# Altium PCB FluidGuard(RX).PcbDoc (part 1 of 3) (continued)
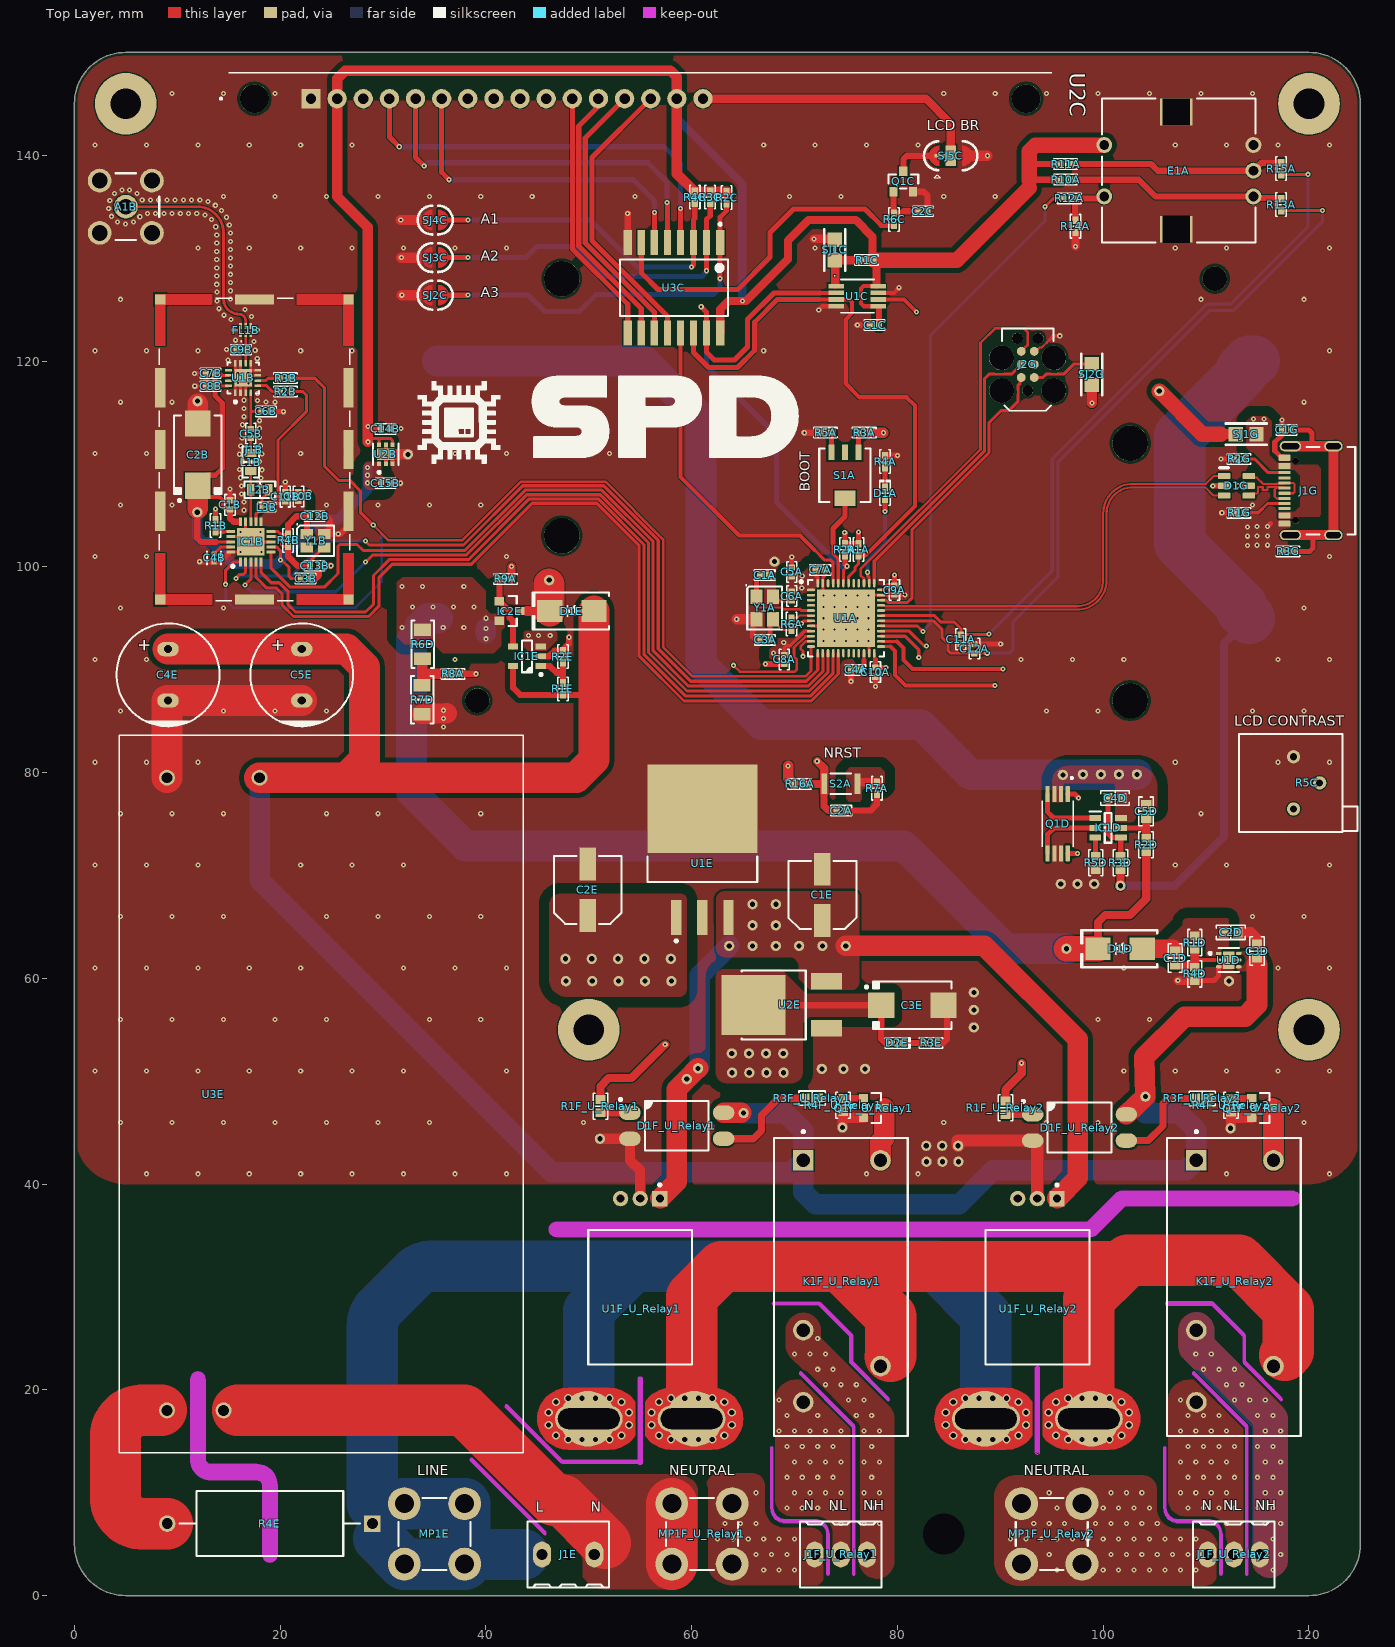
[diagram p0: Top Layer view]
## Design rules (kind name [scope] priority, off if disabled: settings) (continued)
Width Width_4mil [All] p2: maxlimit=25.4 minlimit=0.102 preferedwidth=0.102 minimp=50.000000 maximp=50.000000 favimp=50.000000
Width Width_6mil [All] p3: maxlimit=25.4 minlimit=0.152 preferedwidth=0.152 minimp=50.000000 maximp=50.000000 favimp=50.000000
Width Width_10mil [All] p4: maxlimit=25.4 minlimit=0.254 preferedwidth=0.254 minimp=50.000000 maximp=50.000000 favimp=50.000000
Width Power_12mil [All] p5: maxlimit=25.4 minlimit=0.305 preferedwidth=0.305 minimp=50.000000 maximp=50.000000 favimp=50.000000
Width Power_20mil [All] p6: maxlimit=25.4 minlimit=0.508 preferedwidth=0.508 minimp=50.000000 maximp=50.000000 favimp=50.000000
18 further rules are at their usual default settings.

## Classes and differential pairs
net class AC: HOT LINE NetD1F_U_Relay1_1 NetD1F_U_Relay1_3 NetD1F_U_Relay2_1 NetD1F_U_Relay2_3 NetJ1F_U_Relay1_1 NetJ1F_U_Relay2_1 NEUTRAL NH_U_Relay1 NH_U_Relay2 NL_U_Relay1 NL_U_Relay2
net class IMP-G: LC NRF_ANT RF RF_ANT RF_ANT-OUT TVS_D_N TVS_D_P USB_D_N USB_D_P
net class PWR: +3V3 +5V +12V BAT BAT_MR BCOM VIN VOUT
pad class Jumper: SJ1C-1 SJ1C-2 SJ1C-J SJ5C-1 SJ5C-2 SJ5C-3 SJ5C-J
channel class Relay: U_Relay1 U_Relay2
component class U_Relay2: D1F_U_Relay2 J1F_U_Relay2 K1F_U_Relay2 MP1F_U_Relay2 Q1F_U_Relay2 R1F_U_Relay2 R3F_U_Relay2 R4F_U_Relay2 U1F_U_Relay2
component class U_Relay1: D1F_U_Relay1 J1F_U_Relay1 K1F_U_Relay1 MP1F_U_Relay1 Q1F_U_Relay1 R1F_U_Relay1 R3F_U_Relay1 R4F_U_Relay1 U1F_U_Relay1
component class U_PowerSwitch: C1E C2E C3E C4E C5E D1E D2E IC1E IC2E J1E MP1E R1E R2E R3E R4E U1E U2E U3E
component class U_NRF2401: A1B C1B C2B C3B C4B C5B C6B C7B C8B C9B C10B C11B C12B C13B C14B C15B FL1B IC1B J1B L1B L2B L3B R1B R2B R3B R4B U1B U2B Y1B
component class U_LCD: C1C C2C Q1C R1C R2C R3C R4C R5C R6C SJ1C SJ2C SJ3C SJ4C SJ5C U1C U2C U3C
component class U_Debug: C1G D1G J1G J2G R1G R2G R3G SJ1G SJ2G
component class U_BMS: BT1D BT2D C1D C2D C3D C4D C5D D1D IC1D Q1D R1D R2D R3D R4D R5D R6D R7D U1D
component class "Base IC": C1A C2A C3A C4A C5A C6A C7A C8A C9A C10A C11A C12A D1A E1A R1A R2A R3A R4A R5A R6A R7A R8A R9A R10A R11A R12A R13A R14A R15A R16A S1A S2A U1A Y1A
differential pair TVS_D: +TVS_D_P -TVS_D_N
differential pair USB_D: +USB_D_P -USB_D_N

## Components (designator, comment, footprint, x,y, rotation, side; value= is the part's Value field where it differs from the comment)
A1B "0731000115" "MOLEX SD-73100-0115" 5,135 r180 top locked
BT1D "1042P" FP-1042P-MFG 75,95 r180 bottom locked
BT2D "1042P" FP-1042P-MFG 75,120 r0 bottom locked
C1A "19 pF" "CAP 0402_1005" 67.1,99.2 r180 top
C1B "1nF" "CAP 0402_1005" 15.125,106.028 r270 top locked value="1000 pF"
C1C "0.1µF" "CAP 0402_1005" 77.775,123.5 r0 top
C1D "10 pF" "CAP 0603_1608" 107,61.975 r90 top
C1E "47µF" "CAP ALSMD 6.6MM H5.4MM" 72.7,68.1 r90 top
C1G "4700 pF" "CAP 0402_1005" 117.832,113.3 r180 top
C2A "0.1 µF" "CAP 0402_1005" 74.54,76.3 r180 top
C2B "100µF" "CAP POL 2917_7343" 12,110.9 r90 top locked
C2C "0.1µF" "CAP 0402_1005" 82.475,134.55 r180 top
C2D "1 µF" "CAP 0603_1608" 112.4,64.475 r180 top
C2E "47µF" "CAP ALSMD 6.6MM H5.4MM" 49.9,68.6 r90 top
C3A "19 pF" "CAP 0402_1005" 67.14,92.9 r0 top
C3B "10nF" "CAP 0402_1005" 22.475,98.848 r180 top value="10000 pF"
C3D "2.2 µF" "CAP 0603_1608" 114.95,62.65 r270 top
C3E "22 µF" "CAP POL 2917_7343" 81.45,57.375 r0 top
C4A "4.7 µF" "CAP 0402_1005" 75.935,89.975 r0 top
C4B "CL05B333KO5NNNC" FP-CL101-IPC_C 13.575,100.871 r270 top locked
C4D "0.1µF" "CAP 0603_1608" 101.15,77.525 r180 top
C4E "1000µF" "CAP TH ALUM ELEC D10.00mm S5.00mm H14.00mm" 9.1,89.5 r90 top locked
C5A "4.7 µF" "CAP 0402_1005" 69.723,99.5 r270 top
C5B "1.5 pF" "CAP 0402_1005" 17.15,112.952 r90 top locked
C5D "0.1µF" "CAP 0603_1608" 104.175,76.225 r270 top
C5E "1000µF" "CAP TH ALUM ELEC D10.00mm S5.00mm H14.00mm" 22.1,89.5 r90 top locked
C6A "0.1 µF" "CAP 0402_1005" 69.723,97.148 r90 top
C6B "1 pF" "CAP 0402_1005" 18.615,115.1 r180 top locked
C7A "0.1 µF" "CAP 0402_1005" 72.5,99.7 r180 top
C7B "220 pF" "CAP 0402_1005" 13.24,118.804 r0 top locked
C8A "0.1 µF" "CAP 0402_1005" 69,91 r90 top
C8B "1 µF" "CAP 0402_1005" 13.235,117.552 r180 top locked
C9A "0.1 µF" "CAP 0402_1005" 79.7,97.74 r90 top
C9B "0.3 pF" "CAP 0402_1005" 16.21,121.1 r0 top locked
C10A "0.1 µF" "CAP 0402_1005" 77.852,89.76 r90 top
C10B "2.2nF" "CAP 0402_1005" 21.775,106.835 r270 top locked value="2200 pF"
C11A "0.1µF" "CAP 0402_1005" 86.16,92.958 r90 top
C11B "4.7nF" "CAP 0402_1005" 20.498,106.81 r270 top locked value="4700 pF"
C12A "0.1µF" "CAP 0402_1005" 87.485,92.043 r270 top
C12B "22 pF" "CAP 0402_1005" 23.35,104.908 r180 top locked
C13B "22 pF" "CAP 0402_1005" 23.35,100.1 r180 top locked
C14B "1 µF" "CAP 0402_1005" 30.225,113.4 r180 top
C15B "1 µF" "CAP 0402_1005" 30.235,108.123 r180 top
D1A "Green" "LED 0402_1005 GREEN" 78.8,107.13 r90 top
D1D "RS1AB-13-F" "DO214AA SMB" 101.65,62.875 r180 top
D1E "ES2A-13-F" "DO214AA SMB" 48.352,95.7 r180 top
D1F_U_Relay1 "LTV-817S-TA1" "LITEON LTV-817" 58.55,45.675 r0 top (schematic designator D1F)
D1F_U_Relay2 "LTV-817S-TA1" "LITEON LTV-817" 97.7,45.5 r0 top (schematic designator D1F)
D1G "USBLC6-2SC6" SOT-23-6 112.95,107.875 r270 top locked
D2E "Yellow" "LED 0402_1005 YELLOW" 79.975,53.725 r0 top
E1A "PEC11R-4315F-S0012" "BOURNS PEC11R-4315F-S0012" 107.1,138.5 r90 top
FL1B "2450LP14A100T" 2450LP14A100T 16.65,123 r90 top locked
IC1B "NRF24L01P-R7" QFN50P400X400X95-21N-D 17.15,102.425 r90 top locked
IC1D "HY2120-CB" SOT95P280X140-6N 100.475,74.625 r0 top
IC1E "LM321MFX/NOPB" "TI SOT-23-5 DBV" 43.992,91.3 r180 top
IC2E "FDN304PZ" "ON SEMI SOT-23-3" 42.3,95.7 r0 top
J1B "BMI-S-209-F" LAIRD_BMI-S-209-F 17.5,111.4 r90 top
J1E "282834-3" "TE 282834-3"#1 48,4 r180 top locked
J1F_U_Relay1 "282834-3" "TE 282834-3"#2 74.5,4 r0 top locked (schematic designator J1F)
J1F_U_Relay2 "282834-3" "TE 282834-3"#2 112.7,4 r0 top locked (schematic designator J1F)
J1G "USB4105-GF-A-060" USB4105-GF-A-060 120,107.4 r90 top locked
J2G "TC2030" TC2030-FP 92.665,119.67 r90 top
K1F_U_Relay1 "G2R-1-DC12" FP-G2R-1-DC12-MFG 74.5,30 r270 top locked (schematic designator K1F)
K1F_U_Relay2 "G2R-1-DC12" FP-G2R-1-DC12-MFG 112.7,30 r270 top locked (schematic designator K1F)
L1B "3.9nH" "IND 0603_1608 RF WW" 17.15,110.175 r90 top locked
L2B "8.2nH" "IND 0603_1608 RF WW" 18.025,107.5 r0 top locked
L3B "2.7 nH" "IND 0402_1005 RF WW" 18.69,105.8 r0 top locked
MP1E "74650173R" "WURTH 74650173" 35,6 r0 top locked
MP1F_U_Relay1 "74650173R" "WURTH 74650173" 61,6 r0 top locked (schematic designator MP1F)
MP1F_U_Relay2 "74650173R" "WURTH 74650173" 95,6 r90 top locked (schematic designator MP1F)
Q1C "MMBT2222A-7-F" "DIODES SOT-23-3" 80.575,137.45 r90 top
Q1D "FS8205A" SOP65P640X120-8N 95.575,75.025 r270 top
Q1F_U_Relay1 "MMBT2222A-7-F" "DIODES SOT-23-3" 77.7,47.39 r0 top (schematic designator Q1F)
Q1F_U_Relay2 "MMBT2222A-7-F" "DIODES SOT-23-3" 115.45,47.39 r0 top (schematic designator Q1F)
R1A "4.7 kOhms" "RES 0402_1005" 76.2,101.675 r90 top
R1B "22 kOhms" "RES 0402_1005" 13.725,104 r270 top locked
R1C "10 kOhms" "RES 0402_1005" 77,129.8 r0 top
R1D "1.62 MOhms" "RES 0603_1608" 108.9,63.475 r90 top
R1E "10 kOhms" "RES 0402_1005" 47.492,88.125 r270 top
R1F_U_Relay1 "240 Ohms" "RES 0603_1608" 51.125,47.575 r270 top (schematic designator R1F)
R1F_U_Relay2 "240 Ohms" "RES 0603_1608" 90.5,47.425 r270 top (schematic designator R1F)
R1G "5.1 kOhms" "RES 0402_1005" 113.2,105.25 r0 top locked
R2A "4.7 kOhms" "RES 0402_1005" 74.9,101.675 r90 top
R2B "10 kOhms" "RES 0402_1005" 20.5,117.027 r0 top locked
R2C "10 kOhms" "RES 0402_1005" 63.4,135.875 r90 top
R2D "330 Ohms" "RES 0603_1608" 104.175,72.975 r90 top
R2E "10 kOhms" "RES 0402_1005" 47.492,91.275 r270 top
R2G "5.1 kOhms" "RES 0402_1005" 113.2,110.485 r0 top
R3A "10 kOhms" "RES 0402_1005" 76.775,113.03 r0 top
R3B "10 kOhms" "RES 0402_1005" 20.525,118.327 r0 top locked
R3C "10 kOhms" "RES 0402_1005" 61.8,135.925 r90 top
R3D "330 Ohms" "RES 0603_1608" 101.675,71.225 r90 top
R3E "1 kOhms" "RES 0402_1005" 83.275,53.725 r180 top
R3F_U_Relay1 "1 kOhms" "RES 0603_1608" 71.7,48.35 r0 top (schematic designator R3F)
R3F_U_Relay2 "1 kOhms" "RES 0603_1608" 109.625,48.325 r0 top (schematic designator R3F)
R3G "1 MOhms" "RES 0402_1005" 117.975,101.5 r180 top
R4A "1 kOhms" "RES 0402_1005" 78.8,110.23 r270 top
R4B "1 MOhms" "RES 0402_1005" 20.775,102.575 r270 top locked
R4C "10 kOhms" "RES 0402_1005" 60.3,135.925 r90 top
R4D "160 kOhms" "RES 0603_1608" 108.9,60.425 r90 top
R4E "SP3AJT10R0" FP-SP3A-MFG 19,7 r180 top locked
R4F_U_Relay1 "10 kOhms" "RES 0603_1608" 74.725,47.675 r90 top (schematic designator R4F)
R4F_U_Relay2 "10 kOhms" "RES 0603_1608" 112.425,47.65 r90 top (schematic designator R4F)
R5A "10 kOhms" "RES 0402_1005" 73.025,113.03 r0 top
R5C "10 kOhms" "BOURNS TRIMPOT 3299P" 118.5,79 r270 top locked
R5D "2 kOhms" "RES 0603_1608" 99.275,71.225 r90 top
R6A "0 Ohms" "RES 0402_1005" 69.715,94.425 r90 top
R6C "1 kOhms" "RES 0402_1005" 79.675,133.775 r90 top
R6D "200 kOhms" "RES 1206_3216" 33.85,92.475 r90 top
R7A "1 kOhms" "RES 0402_1005" 78,78.475 r90 top
R7D "100 kOhms" "RES 1206_3216" 33.8,87.075 r90 top
R8A "10 kOhms" "RES 0402_1005" 36.8,89.6 r180 top
R9A "10 kOhms" "RES 0402_1005" 41.9,98.825 r180 top
R10A "10 kOhms" "RES 0402_1005" 96.35,137.625 r180 top locked
R11A "10 kOhms" "RES 0402_1005" 96.35,139.15 r180 top locked
R12A "1 kOhms" "RES 0402_1005" 96.7,135.8 r180 top
R13A "10 kOhms" "RES 0402_1005" 117.3,135.2 r90 top
R14A "10 kOhms" "RES 0402_1005" 97.3,133.1 r90 top
R15A "10 kOhms" "RES 0402_1005" 117.3,138.7 r90 top
R16A "10 kOhms" "RES 0402_1005" 70.5,78.9 r0 top
S1A "CS-4-13NTA" "NIDEC COPAL CS-4-13NTA" 74.9,108.9 r180 top
S2A "EVP-AWED4A" "PANASONIC EVPAW" 74.5,78.9 r0 top
SJ1C "2PIN" "Rectangular Jumper Joint" 73.9,130.8 r270 top
SJ1G "2PIN" "Rectangular Jumper" 113.9,112.9 r180 top
SJ2C "2PIN" "Rounded Jumper" 35.075,126.4 r0 top locked
SJ2G "2PIN" "Rectangular Jumper" 98.9,118.7 r270 top
SJ3C "2PIN" "Rounded Jumper" 35.075,130.05 r0 top locked
SJ4C "2PIN" "Rounded Jumper" 35.075,133.7 r0 top locked
SJ5C "3PIN" "Rounded Jumper Joint 3-pin" 85.175,139.95 r0 top
U1A "STM32F411CEU6" STM-UFQFPN48_L 75,95 r0 top locked
U1B "RFX2401C" FP-RFX2401C-MFG 16.4,118.352 r90 top locked
U1C "MCP4561-103EMS" MSOP8_MC_MCH 76.1,126.3 r0 top locked
U1D "TLV76701DRVR" FP-DRV0006A-IPC_C 112.2,61.775 r0 top
U1E "UA7805CKTTR" FP-KTT0003A-MFG 61.04,74.203 r0 top
U1F_U_Relay1 "ACS770LCB-050B-PFF-T" FP-CB-5-PFF-MFG 55,29 r180 top locked (schematic designator U1F)
U1F_U_Relay2 "ACS770LCB-050B-PFF-T" FP-CB-5-PFF-MFG 93.6,29 r180 top locked (schematic designator U1F)
U2B "NCV8705MT33TCG" FP-511BR-MFG 30.275,110.925 r90 top
U2C "LCD-16X2" "LCD-16X2 Pin" 55,130 r0 top locked
U2E "NCP1117DT33T5G" FP-369C-MFG 68.8,57.415 r90 top
U3C "PCF8574AT/3,518" FP-SOT162-1-MFG 58.275,127.125 r270 top locked
U3E "IRM-30-12" IRM-30_MWU 9,18 r90 top locked
Y1A "24 MHz" "EPSON TSX-3225" 67.1,96 r270 top
Y1B "16 MHz" "NDK NX2520SA" 23.45,102.531 r0 top locked

## Footprints (in the part's own frame and the unit in brackets; to place one, negate y for a bottom-side part, rotate by r counter-clockwise, add the part's x,y. Pads: shape width x height; smd on the part's side, far side on the other; paste and mask are expansions set on the pad)
2450LP14A100T [mm]
  rect 0.55x0.25 smd: 1(-0.4,0.5) 2(-0.4,0) 3(-0.4,-0.5) 4(0.4,-0.5) 5(0.4,0) 6(0.4,0.5)
  silkscreen extent -1.15,-0.8 0.2,0.8, body extent -0.65,-0.8 0.65,0.8, height 0.8
"BOURNS PEC11R-4315F-S0012" [mm] "Rotary Encoder Mechanical 12 Quadrature (Incremental) Vertical, 12.5x13.4mm Body"
  round 1.55 hole 0.95: 1(-2.5,7) 2(2.5,7) A(-2.5,-7.5) B(0,-7.5) C(2.5,-7.5)
  rect 2.6x3.2 hole 2.6 square: S(-5.7,0) S(5.7,0)
  silkscreen extent -7,-7.7 7,7.2, body extent -7,-7.7 7,7.2, height 22.1
"BOURNS TRIMPOT 3299P" [mm] "3299 - 3/8 ? Square Trimpot® Trimming Potentiometer"
  round 1.29 hole 0.69: 1(2.54,0) 2(0,2.54) 3(-2.54,0)
  silkscreen extent -4.76,-5.3 4.76,6.2, body extent -4.76,-5.27 4.76,6.29, height 6.1
"CAP 0402_1005" [mm] "Chip Capacitor, 2-Leads, Body 1.02x0.51mm, IPC Medium Density"
  rect 0.6x0.64 smd: 1(-0.44,0) 2(0.44,0)
  silkscreen extent -1,-0.5 1,0.5, body extent -0.5,-0.26 0.5,0.26, height 0.52
"CAP 0603_1608" [mm] "Chip Capacitor, 2-Leads, Body 1.60x0.80mm, IPC Medium Density"
  rect 0.9x1 smd: 1(-0.675,0) 2(0.675,0)
  silkscreen extent -1.4,-0.7 1.4,0.7, body extent -0.8,-0.41 0.8,0.41, height 0.82
"CAP ALSMD 6.6MM H5.4MM" [mm] "Aluminum Electrolytic Capacitor, Body 6.60x6.60x5.40mm, IPC Low Density"
  rect 3.2x1.6 smd: 1(-2.5,0) 2(2.5,0)
  silkscreen extent -3.3,-3.3 3.3,3.3, body extent -3.5,-3.3 3.5,3.3, height 5.4
"CAP POL 2917_7343" [mm] "Molded Capacitor, 2-Leads, Body 7.30x4.30mm, IPC Medium Density"
  rect 2.55x2.45 smd: 1(-3.025,0) 2(3.025,0)
  silkscreen extent -4.57,-2.3 3.8,2.3, body extent -3.65,-2.15 3.65,2.15, height 4.1
"CAP TH ALUM ELEC D10.00mm S5.00mm H14.00mm" [mm] "10mm Diameter 5mm Lead Spacing Aluminum Electrolytic Capacitors Radial, Can"
  oval 1.4x2.1 hole 0.8: 1(2.5,0) 2(-2.5,0)
  silkscreen extent -5,-5 5,5, body extent -5.01,-5 5,5, height 14
"DIODES SOT-23-3" [mm] "SOT23, 3-Leads, Body 2.90x2.40mm, Pitch 0.95mm, IPC Medium Density"
  rect 0.9x0.8 smd: 1(-1,0.95) 2(-1,-0.95) 3(1,0)
  silkscreen extent -0.7,-1.45 0.7,1.45, body extent -1.41,-1.45 1.41,1.45, height 1.5
"DO214AA SMB" [mm] "Molded Diode, 2-Leads, Body 4.31x3.62mm, IPC Medium Density"
  rect 2.45x2.15 smd: 1(-2.15,0) 2(2.15,0)
  silkscreen extent -3.6,-1.8 3.8,1.8, body extent -2.6,-1.8 2.6,1.8, height 2.4
"EPSON TSX-3225" [mm] "Crystal, 4-Leads, Body 2.50x3.20mm, Pitch 2.20mm, IPC Medium Density"
  rect 1.4x1.15 smd: 1(-1.1,-0.8) 2(1.1,-0.8) 3(1.1,0.8) 4(-1.1,0.8)
  silkscreen extent -2.25,-1.85 2.1,1.7, body extent -1.61,-1.26 1.61,1.26, height 0.6
FP-369C-MFG [mm]
  rect 1.6x3 smd paste+0 mask+0: 1(-2.285,-4.3) 3(2.285,-4.3)
  rect 5.8x6.2 smd paste+0 mask+0: 4(0,2.79)
  silkscreen extent -3.36,-2.28 3.36,3.94, body extent -3.46,-5.9 3.46,5.99, height 0.25
FP-511BR-MFG [mm]
  rect 0.45x0.4 smd paste+0 mask+0: 1(-0.925,0.65) 2(-0.925,0) 3(-0.925,-0.65) 4(0.925,-0.65) 5(0.925,0) 6(0.925,0.65)
  rect 1.12x1.72 smd paste+0 mask+0: 7(0,0)
  silkscreen extent -1.87,-1.25 1.05,1.25, body extent -1.25,-1.15 1.25,1.15, height 0.25
FP-1042P-MFG [mil]
  rect 294x255 smd paste+0 mask+0: 1(-1562.5,0) 2(1562.5,0)
  round 135.83 hole 135.83 unplated paste-99999 mask+0: ""(-1087.5,-315) ""(1087.5,315)
  round 94 hole 94 unplated paste-99999 mask+0: ""(1411.5,-315)
  silkscreen extent -1522,-412 1745,412, body extent -1693,-407 1693,406, height 595
FP-CB-5-PFF-MFG [mm]
  rect 1.5x1.5 hole 0.8 paste-2539.97 mask+0: 1(-1.91,-9.59)
  round 1.5 hole 0.8 paste-2539.97 mask+0: 2(0,-9.59) 3(1.91,-9.59)
  rrect100% 6.6x2.6 hole 2 slot 6 at 0 deg paste-2539.97 mask+0: 4(5,11.809) 5(-5,11.809)
  round 5.4 smd paste-1000 mask+0: 4(5.099,11.809) 5(-5.25,11.809)
  round 5.4 smd far side paste-1000 mask+0: 4(5.099,11.809) 5(-5.25,11.809)
  Top Layer region: 0.5,13.468 1.581,14.453 3,14.809 3,14.809 7,14.81 8.302,14.512 9.345,13.68 9.925,12.477 9.925,11.142 9.345,9.939 8.302,9.107 7,8.809 7,8.809 3,8.809 1.581,9.166 0.5,10.151 0.5,10.151
  Top Layer region: -0.5,10.151 -1.581,9.166 -3,8.81 -3,8.81 -7,8.809 -8.302,9.107 -9.345,9.939 -9.925,11.142 -9.925,12.477 -9.345,13.68 -8.302,14.512 -7,14.809 -7,14.81 -3,14.81 -1.581,14.453 -0.5,13.468 -0.5,13.468
  Bottom Layer region: 0.5,13.468 1.581,14.453 3,14.809 3,14.809 7,14.81 8.302,14.512 9.345,13.68 9.925,12.477 9.925,11.142 9.345,9.939 8.302,9.107 7,8.809 7,8.809 3,8.809 1.581,9.166 0.5,10.151 0.5,10.151
  Bottom Layer region: -0.5,10.151 -1.581,9.166 -3,8.81 -3,8.81 -7,8.809 -8.302,9.107 -9.345,9.939 -9.925,11.142 -9.925,12.477 -9.345,13.68 -8.302,14.512 -7,14.809 -7,14.81 -3,14.81 -1.581,14.453 -0.5,13.468 -0.5,13.468
  silkscreen extent -5.05,-11.04 5.05,6.55, body extent -10.1,-10.44 10.1,14.91, height 0.25
FP-CL101-IPC_C [mm]
  rect 0.515x0.472 smd paste+0 mask+0: 1(-0.379,0) 2(0.379,0)
  silkscreen extent -0.64,-0.67 0.64,0.67, body extent -0.74,-0.38 0.74,0.38, height 0.25
FP-DRV0006A-IPC_C [mm]
  rect 0.556x0.292 smd paste+0 mask+0: 1(-0.978,0.65)
  rrect100% 0.556x0.292 smd paste+0 mask+0: 2(-0.978,0) 3(-0.978,-0.65) 4(0.978,-0.65) 5(0.978,0) 6(0.978,0.65)
  rect 1.1x1.7 smd paste-1000 mask+0: 7(0,0)
  silkscreen extent -1.93,-1.17 1,1.17, body extent -1.36,-1.1 1.36,1.1, height 0.25
FP-G2R-1-DC12-MFG [mm]
  rect 2x2 hole 1.3 paste-2539.97 mask+0: 1(-12.3,-3.65)
  round 2 hole 1.3 paste-2539.97 mask+0: 2(4.2,-3.65) 3(11.2,-3.65) 4(7.7,3.85) 5(-12.3,3.85)
  silkscreen extent -15.22,-6.5 14.5,6.5, body extent -14.6,-6.6 14.6,6.6, height 0.25
FP-KTT0003A-MFG [mm]
  rect 1x3.4 smd paste-1000 mask+0: 1(-2.54,-8.303) 2(0,-8.303) 3(2.54,-8.303)
  rect 10.7x8.6 smd paste-1000 mask+0: 4(0,2.298)
  silkscreen extent -5.34,-10.69 5.34,-2.38, body extent -5.45,-10.1 5.45,6.7, height 0.25
FP-RFX2401C-MFG [mm]
  rect 0.65x0.25 smd paste+0 mask+0: 1(-1.425,0.75) 2(-1.425,0.25) 3(-1.425,-0.25) 4(-1.425,-0.75) 9(1.425,-0.75) 10(1.425,-0.25) 11(1.425,0.25) 12(1.425,0.75)
  rect 0.25x0.65 smd paste+0 mask+0: 5(-0.75,-1.425) 6(-0.25,-1.425) 7(0.25,-1.425) 8(0.75,-1.425) 13(0.75,1.425) 14(0.25,1.425) 15(-0.25,1.425) 16(-0.75,1.425)
  rect 1.7x1.7 smd paste+0 mask+0: 17(0,0)
  silkscreen extent -2.45,-1.53 1.53,1.53, body extent -1.85,-1.85 1.85,1.85, height 0.25
FP-SOT162-1-MFG [mm]
  rect 2.4x0.8 smd paste+0 mask+0: 1(-4.4,4.495) 8(-4.4,-4.495) 9(4.4,-4.495) 16(4.4,4.495)
  rect 2.4x0.7 smd paste+0 mask+0: 2(-4.4,3.175) 3(-4.4,1.905) 4(-4.4,0.635) 5(-4.4,-0.635) 6(-4.4,-1.905) 7(-4.4,-3.175) 10(4.4,-3.175) 11(4.4,-1.905) 12(4.4,-0.635) 13(4.4,0.635) 14(4.4,1.905) 15(4.4,3.175)
  silkscreen extent -6.3,-5.25 2.75,5.25, body extent -5.72,-5.95 5.72,5.95, height 0.25
FP-SP3A-MFG [mm]
  rect 1.6x1.6 hole 1.05 paste-2539.97 mask+0: 1(-9.973,0)
  round 1.6 hole 1.05 paste-2539.97 mask+0: 2(9.973,0)
  silkscreen extent -8.77,-3.17 8.77,3.17, body extent -10.87,-3.26 10.87,3.26, height 0.25
"IND 0402_1005 RF WW" [mm] "Chip Inductor, 2-Leads, Body 1.00x0.50mm, IPC High Density"
  rect 0.48x0.54 smd: 1(-0.44,0) 2(0.44,0)
  silkscreen extent -0.87,-0.45 0.87,0.45, body extent -0.5,-0.29 0.5,0.29, height 0.51
"IND 0603_1608 RF WW" [mm] "Chip Inductor, 2-Leads, Body 1.65x0.99mm, IPC Medium Density"
  rect 0.76x1.13 smd: 1(-0.875,0) 2(0.875,0)
  silkscreen extent -1.5,-0.8 1.5,0.8, body extent -0.84,-0.58 0.83,0.58, height 1
IRM-30_MWU [mil]
  round 61 / inner round 60 / far side round 61 hole 41 paste-99999 mask+0: 1(0,0) 2(0,-216.54) 3(2421.26,-354.33)
  round 61 / inner round 60 / far side round 61 hole 41: 4(2421.26,0)
  silkscreen extent -162,-1363 2584,182, body extent -157,-1358 2579,177, height 936
LAIRD_BMI-S-209-F [mm]
  rect 1x3.8 smd: SH(-14.58,0) SH(14.58,0)
  rect 3.8x1 smd: SH(-6,9.15) SH(-6,-9.15) SH(0,9.15) SH(0,-9.15) SH(6,9.15) SH(6,-9.15)
  rect 1x1 smd paste-1 mask+0: SHC(-14.58,-9.15) SHC(-14.58,9.15) SHC(14.58,-9.15) SHC(14.58,9.15)
  Top Layer region: -10.1,8.65 -14.08,8.65 -14.08,4.1 -15.08,4.1 -15.08,9.65 -10.1,9.65
  Top Layer region: 15.08,-9.65 10.1,-9.65 10.1,-8.65 14.08,-8.65 14.08,-4.1 15.08,-4.1
  Top Layer region: 15.08,4.1 14.08,4.1 14.08,8.65 10.1,8.65 10.1,9.65 15.08,9.65
  Top Layer region: -14.08,-8.65 -10.1,-8.65 -10.1,-9.65 -15.08,-9.65 -15.08,-4.1 -14.08,-4.1
  silkscreen extent -14.68,-9.25 14.68,9.25, body extent -14.68,-9.25 14.68,9.25, height 7.01
"LCD-16X2 Pin" [mil]
  rect 74x74 / inner round 74 / far side rect 74x74 hole 40: 1(-1259.84,610.24)
  round 74 hole 40: 2(-1159.84,610.24) 3(-1059.84,610.24) 4(-959.84,610.24) 5(-859.84,610.24) 6(-759.84,610.24) 7(-659.84,610.24) 8(-559.84,610.24) 9(-459.84,610.24) 10(-359.84,610.24) 11(-259.84,610.24) 12(-159.84,610.24) 13(-59.84,610.24) 14(40.16,610.24) 15(140.16,610.24) 16(240.16,610.24)
  round 110.24 hole 110.24 unplated: ""(-1476.38,610.24) ""(1476.38,610.24)
  silkscreen extent -1608,606 1575,709
"LED 0402_1005 GREEN" [mm] "Chip Diode, 2-Leads, Body 1.00x0.50mm, IPC Medium Density"
  rect 0.75x0.6 smd: 1(-0.575,0) 2(0.575,0)
  silkscreen extent -1.14,-0.51 1.27,0.51, body extent -0.5,-0.25 0.5,0.25, height 0.21
"LED 0402_1005 YELLOW" [mm] "Chip Diode, 2-Leads, Body 1.00x0.50mm, IPC Medium Density"
  rect 0.75x0.6 smd: 1(-0.575,0) 2(0.575,0)
  silkscreen extent -1.14,-0.51 1.27,0.51, body extent -0.5,-0.25 0.5,0.25, height 0.21
"LITEON LTV-817" [mm] "SOP, 4-Leads, Body 4.60x6.50mm, Pitch 2.54mm, IPC Medium Density"
  oval 2.1x1.4 smd: 1(-4.55,1.27) 2(-4.55,-1.27) 3(4.55,-1.27) 4(4.55,1.27)
  silkscreen extent -5.59,-2.41 3.1,2.66, body extent -5.1,-2.3 5.1,2.3, height 3.85
"MOLEX SD-73100-0115" [mm]
  round 2.304 hole 1.54: G(-2.54,2.54) G(2.54,2.54) S(0,0)
  round 2.302 hole 1.54: G(-2.54,-2.54) G(2.54,-2.54)
  silkscreen extent -3.25,-3.25 1,3.25, body extent -3.12,-3.17 11.68,3.17, height 9.67
MSOP8_MC_MCH [mil]
  rect 60x18 smd paste+0 mask+0: 1(-80.5,38.39) 2(-80.5,12.8) 3(-80.5,-12.8) 4(-80.5,-38.39) 5(80.5,-38.39) 6(80.5,-12.8) 7(80.5,12.8) 8(80.5,38.39)
  silkscreen extent -64,-64 64,64, body extent -96,-59 96,59, height 43
"NDK NX2520SA" [mm] "Crystal, 4-Leads, Body 2.00x2.50mm, Pitch 1.70mm, IPC Medium Density"
  rect 1.2x1 smd: 1(-0.85,0.65) 2(-0.85,-0.65) 3(0.85,-0.65) 4(0.85,0.65)
  silkscreen extent -1.85,-1.5 1.8,1.65, body extent -1.26,-1.01 1.26,1.01, height 0.5
"NIDEC COPAL CS-4-13NTA" [mm]
  rect 0.6x1.5 smd: 1(-1.3,-2.25) 2(0,-2.25) 3(1.3,-2.25)
  rect 2x1.5 smd: C(0,2.25)
  silkscreen extent -2.5,-2.6 2.5,2.6, body extent -2.5,-2.6 2.5,2.6, height 2.32
"ON SEMI SOT-23-3" [mm] "SOT23, 3-Leads, Body 2.90x2.40mm, Pitch 0.95mm, IPC Medium Density"
  rect 0.9x0.8 smd: 1(-1,0.95) 2(-1,-0.95) 3(1,0)
  silkscreen extent -0.7,-1.45 0.7,1.45, body extent -1.16,-1.45 1.16,1.45, height 1
"PANASONIC EVPAW" [mm]
  rect 0.55x2 smd: 1(-1.625,0) 2(1.625,0)
  silkscreen extent -1,-1 1,1, body extent -1.75,-1 1.75,1, height 0.58
QFN50P400X400X95-21N-D [mm]
  rect 0.85x0.3 smd: 1(-1.95,1) 2(-1.95,0.5) 3(-1.95,0) 4(-1.95,-0.5) 5(-1.95,-1) 11(1.95,-1) 12(1.95,-0.5) 13(1.95,0) 14(1.95,0.5) 15(1.95,1)
  rect 0.3x0.85 smd: 6(-1,-1.95) 7(-0.5,-1.95) 8(0,-1.95) 9(0.5,-1.95) 10(1,-1.95) 16(1,1.95) 17(0.5,1.95) 18(0,1.95) 19(-0.5,1.95) 20(-1,1.95)
  rect 2.7x2.7 smd: 21(0,0)
  silkscreen extent -2.5,1.62 -2.25,1.87, body extent -2.05,-2.05 2.05,2.05, height 0.95
"Rectangular Jumper" [mm]
  rect 1.4x1.4 smd: 1(-1,0) 2(1,0)
  silkscreen extent -2,-1.03 2,1.02
"Rectangular Jumper Joint" [mm]
  rect 1.4x1.4 smd: 1(-1,0) 2(1,0)
  rect 1.4x0.35 smd: J(0,0)
  silkscreen extent -2,-1.02 2,1.02
"RES 0402_1005" [mm] "Chip Resistor, 2-Leads, Body 1.0x0.5mm, IPC Medium Density"
  rect 0.75x0.6 smd: 1(-0.575,0) 2(0.575,0)
  silkscreen extent -1.14,-0.51 1.14,0.51, body extent -0.5,-0.25 0.5,0.25, height 0.35
"RES 0603_1608" [mm] "Chip Resistor, 2-Leads, Body 1.60x0.80mm, IPC Medium Density"
  rect 0.85x0.95 smd: 1(-0.65,0) 2(0.65,0)
  silkscreen extent -1.27,-0.7 1.27,0.7, body extent -0.8,-0.4 0.8,0.4, height 0.45
"RES 1206_3216" [mm] "Chip Resistor, 2-Leads, Body 3.13x1.55mm, IPC Medium Density"
  rect 1.2x1.65 smd: 1(-1.4,0) 2(1.4,0)
  silkscreen extent -2.3,-1.1 2.3,1.1, body extent -1.6,-0.8 1.6,0.8, height 0.6
"Rounded Jumper" [mil]
  round 1 smd: 1(-31.5,0) 2(31.5,0)
  Top Layer region: 11.81,-39.37 28.89,-35.47 42.59,-24.55 50.19,-8.76 50.19,8.76 42.59,24.55 28.89,35.47 11.81,39.37 11.81,39.37
  Top Layer region: -11.81,-39.37 -28.89,-35.47 -42.59,-24.55 -50.19,-8.76 -50.19,8.76 -42.59,24.55 -28.89,35.47 -11.81,39.37 -11.81,39.37
  silkscreen extent -67,-55 67,55
"Rounded Jumper Joint 3-pin" [mm]
  round 0.025 smd: 1(-1.6,0) 2(1.6,0)
  rect 1x2 smd: 3(0,0)
  rect 1.4x0.35 smd: J(-0.875,0)
  Top Layer region: 1.1,-1 1.534,-0.901 1.882,-0.623 2.075,-0.223 2.075,0.223 1.882,0.623 1.534,0.901 1.1,1 1.1,1
  Top Layer region: -1.1,-1 -1.534,-0.901 -1.882,-0.623 -2.075,-0.223 -2.075,0.223 -1.882,0.623 -1.534,0.901 -1.1,1 -1.1,1
  silkscreen extent -2.6,-2.15 2.6,1.4
SOP65P640X120-8N [mm]
  rrect25% 1.56x0.4 smd: 1(-2.88,0.975) 2(-2.88,0.325) 3(-2.88,-0.325) 4(-2.88,-0.975) 5(2.88,-0.975) 6(2.88,-0.325) 7(2.88,0.325) 8(2.88,0.975)
  silkscreen extent -4.54,-1.52 2.25,1.52, body extent -3.23,-1.47 3.18,1.47, height 1.2
SOT95P280X140-6N [mm]
  rect 1.15x0.6 smd: 1(-1.25,0.95) 2(-1.25,0) 3(-1.25,-0.95) 4(1.25,-0.95) 5(1.25,0) 6(1.25,0.95)
  silkscreen extent -1.83,-1.45 0.33,1.6, body extent -1.4,-1.45 1.4,1.45, height 1.4
SOT-23-6 [mm]
  rrect25% 0.6x1.2 smd: 1(-0.95,-1.2) 2(0,-1.2) 3(0.95,-1.2) 4(0.95,1.2) 5(0,1.2) 6(-0.95,1.2)
  silkscreen extent -1.75,-1.63 -1.75,-0.76, body extent -1.45,-1.4 1.45,1.4, height 1.45
STM-UFQFPN48_L [mm] "QFN, 48-Leads, Body 7.1x7.1mm, Pitch 0.5mm, Thermal Pad 5.6x5.6mm, IPC High Density"
  oval 0.8x0.25 smd: 1(-3.4,2.75) 2(-3.4,2.25) 3(-3.4,1.75) 4(-3.4,1.25) 5(-3.4,0.75) 6(-3.4,0.25) 7(-3.4,-0.25) 8(-3.4,-0.75) 9(-3.4,-1.25) 10(-3.4,-1.75) 11(-3.4,-2.25) 12(-3.4,-2.75) 25(3.4,-2.75) 26(3.4,-2.25) 27(3.4,-1.75) 28(3.4,-1.25) 29(3.4,-0.75) 30(3.4,-0.25) 31(3.4,0.25) 32(3.4,0.75) 33(3.4,1.25) 34(3.4,1.75) 35(3.4,2.25) 36(3.4,2.75)
  oval 0.25x0.8 smd: 13(-2.75,-3.4) 14(-2.25,-3.4) 15(-1.75,-3.4) 16(-1.25,-3.4) 17(-0.75,-3.4) 18(-0.25,-3.4) 19(0.25,-3.4) 20(0.75,-3.4) 21(1.25,-3.4) 22(1.75,-3.4) 23(2.25,-3.4) 24(2.75,-3.4) 37(2.75,3.4) 38(2.25,3.4) 39(1.75,3.4) 40(1.25,3.4) 41(0.75,3.4) 42(0.25,3.4) 43(-0.25,3.4) 44(-0.75,3.4) 45(-1.25,3.4) 46(-1.75,3.4) 47(-2.25,3.4) 48(-2.75,3.4)
  rect 5.6x5.6 smd: 49(0,0)
  silkscreen extent -4.47,-3.7 3.7,3.7, body extent -3.55,-3.55 3.55,3.55, height 0.6
TC2030-FP [mm]
  round 0.863 smd paste-0.432: 1(-1.27,-0.635) 2(-1.27,0.635) 3(0,-0.635) 4(0,0.635) 5(1.27,-0.635) 6(1.27,0.635)
  round 2.4 hole 2.4 unplated: MH(-2.54,-2.54) MH(-2.54,2.54) MH(0.635,2.54) MH(0.635,-2.54)
  round 1.067 hole 1.067 unplated: MH(-2.54,0) MH(2.54,-1.016) MH(2.54,1.016)
  silkscreen extent -4.5,-2.5 3.5,2.5
"TE 282834-3"#1 [mm]
  oval 1.75x2.5 hole 1.1: 1(-2.54,0) 3(2.54,0)
  round 0 hole 1.1: 2(0,0)
  silkscreen extent -3.97,-3.2 3.97,3.2, body extent -4.04,-3.25 4.04,3.25, height 10
"TE 282834-3"#2 [mm]
  oval 1.75x2.5 hole 1.1: 1(-2.54,0) 2(0,0) 3(2.54,0)
  silkscreen extent -3.97,-3.2 3.97,3.2, body extent -4.04,-3.25 4.04,3.25, height 10
"TI SOT-23-5 DBV" [mm] "SOT23, 5-Leads, Body 2.90x2.80mm, Pitch 0.95mm, IPC Medium Density"
  rect 1x0.55 smd: 1(-1.35,0.95) 2(-1.35,0) 3(-1.35,-0.95) 4(1.35,-0.95) 5(1.35,0.95)
  silkscreen extent -1.48,-1.55 0.5,1.9, body extent -1.44,-1.43 1.39,1.48, height 1.5
USB4105-GF-A-060 [mm]
  rrect25% 0.6x1.15 smd mask+0.05: A1B12(-3.2,2.378) A4B9(-2.4,2.378) B1A12(3.2,2.378) B4A9(2.4,2.378)
  rrect25% 0.3x1.15 smd mask+0.05: A5(-1.25,2.378) A6(-0.25,2.378) A7(0.25,2.378) A8(1.25,2.378) B5(1.75,2.378) B6(0.75,2.378) B7(-0.75,2.378) B8(-1.75,2.378)
  round 0.65 hole 0.65 unplated mask+0.05: MH(-2.89,1.303) MH(2.89,1.303)
  oval 1x1.8 hole 0.6 slot 1.4 at 90 deg: SH(-4.32,-2.377) SH(4.32,-2.377)
  oval 1x2.1 hole 0.6 slot 1.7 at 90 deg: SH(-4.32,1.803) SH(4.32,1.803)
  silkscreen extent -4.25,-4.5 4.25,0.25, body extent -4.47,-4.97 4.47,2.73, height 3.27
"WURTH 74650173" [mm] "REDCUBE THR with internal thread, M3x4mm, blind"
  round 3.2 hole 1.85: 1(-2.935,-2.935) 1(-2.935,2.935) 1(2.935,-2.935) 1(2.935,2.935)
  silkscreen extent -3.5,-3.5 3.5,3.5, body extent -3.5,-3.5 3.5,3.5, height 6

## Part data
A1B: "CONN SMA RCPT R/A 50 OHM PCB", Frequency - Max="18 GHz", Housing Color=Silver, Manufacturer=Molex, Supplier Part Number 1=WM8552-ND, ComponentLink1Description=Datasheet, ComponentLink1URL=https://www.molex.com/pdm_docs/sd/731000115_sd.pdf, ComponentLink2Description="DigiKey Link", ComponentLink2URL=https://www.digikey.com/en/products/detail/molex/0731000115/3044674, Connector Style=SMA, Connector Type="Receptacle, Female Socket", Contact Termination=Solder, Fastening Type=Threaded, id=4, Impedance=50Ohm, LastUpdated=2022-06-29T18:03:04.613, Lifecycle Status=Active, Minimum Order=1, Mounting Type="Through Hole, Right Angle", Number Of Ports=1, Packaging=Tray, Part Number=0731000115, Part Status=Active, Price=2.95, Series=73100, Shield Termination=Solder, Supplier 1=DigiKey
BT1D BT2D: library part CMP-19636-000019-1, "BATTERY HOLDER 18650 SMD TAB", Max Operating Temperature=145°C, Min Operating Temperature=-50°C, Package Quantity=200, Lead Free="Lead Free", Mount="Surface Mount", Number of Cells=1, Packaging=Tray, Termination=SMD/SMT
C1A C3A: library part GJM1555C1H190GB01D, "CAP CER 19PF 50VDC 0402 C0G 2%", Device Package="0402 (1005 Metric)", Manufacturer="Murata Electronics", Operating Temperature="-55°C ~ 125°C", Supplier Part Number 1=490-GJM1555C1H190GB01DCT-ND, Temperature Coefficient="C0G, NP0", Tolerance=±2%, Voltage - Rated=50V, Applications="RF, Microwave, High Frequency", Capacitance="19 pF", ComponentLink1Description=Datasheet, ComponentLink1URL=https://search.murata.co.jp/Ceramy/image/img/A01X/G101/ENG/GJM1555C1H190GB01-01A.pdf, ComponentLink2Description="DigiKey Link", ComponentLink2URL=https://www.digikey.com/en/products/detail/murata-electronics/GJM1555C1H190GB01D/16033843, Features="High Q, Low Loss", id=5279, LastUpdated=2023-01-03T20:03:22.137, Lifecycle Status=Active, Minimum Order=1, Mounting Type="Surface Mount, MLCC", Package / Case="0402 (1005 Metric)", Packaging=TapeAndReel, Part Number=GJM1555C1H190GB01D, Part Status=Active, PartId=41775, Price=0.02, Series=GJM, Size / Dimension="0.039\" L x 0.020\" W (1.00mm x 0.50mm)", Supplier 1=DigiKey, Thickness (Max)="0.022\" (0.55mm)"
C1B: library part C0402C102J3RECAUTO, "CAP CER 0402 1NF 25V X7R 5%", Capacitance="1000 pF", Device Package="0402 (1005 Metric)", Manufacturer=KEMET, Operating Temperature="-55°C ~ 125°C", Ratings=AEC-Q200, Supplier Part Number 1=399-C0402C102J3RECAUTOCT-ND, Temperature Coefficient=X7R, Tolerance=±5%, Voltage - Rated=25V, Applications="Automotive, ESD Protection", ComponentLink1Description=Datasheet, ComponentLink1URL=https://api.kemet.com/component-edge/download/datasheet/C0402C102J3RECAUTO.pdf, ComponentLink2Description="DigiKey Link", ComponentLink2URL=https://www.digikey.com/en/products/detail/kemet/C0402C102J3RECAUTO/8646431, id=4189, LastUpdated=2023-01-03T20:03:34.767, Lifecycle Status=Active, Minimum Order=1, Mounting Type="Surface Mount, MLCC", Package / Case="0402 (1005 Metric)", Packaging=TapeAndReel, Part Number=C0402C102J3RECAUTO, Part Status=Active, PartId=33620, Price=0.02, Series="ESD SMD Auto X7R", Size / Dimension="0.039\" L x 0.020\" W (1.00mm x 0.50mm)", Supplier 1=DigiKey, Thickness (Max)="0.022\" (0.55mm)"
C1C C2C: library part 0402YC104KAT2A, "CAP CER 0.1UF 16V X7R 0402", Device Package="0402 (1005 Metric)", Manufacturer="AVX Corporation", Operating Temperature="-55°C ~ 125°C", Supplier Part Number 1=478-7888-1-ND, Temperature Coefficient=X7R, Tolerance=±10%, Voltage - Rated=16V, Applications="General Purpose", Capacitance=0.1µF, ComponentLink1Description=Datasheet, ComponentLink1URL=http://datasheets.avx.com/X7RDielectric.pdf, ComponentLink2Description="DigiKey Link", ComponentLink2URL=http://digikey.com/product-detail/en/avx-corporation/0402YC104KAT2A/478-7888-1-ND/3881511, id=643, LastUpdated=2022-02-08T12:26:55.697, Lifecycle Status=Active, Minimum Order=1, Mounting Type="Surface Mount, MLCC", Package / Case="0402 (1005 Metric)", Packaging=TapeAndReel, Part Number=0402YC104KAT2A, Part Status=Active, PartId=3104, Price=0.01, Series=-, Size / Dimension="0.039\" L x 0.020\" W (1.00mm x 0.50mm)", Supplier 1=DigiKey, Thickness (Max)="0.022\" (0.55mm)"
C1D: library part 885012006017, "CAP CER 10PF 16V C0G/NP0 0603", Device Package="0603 (1608 Metric)", Manufacturer="Würth Elektronik", Operating Temperature="-55°C ~ 125°C", Supplier Part Number 1=732-7760-1-ND, Temperature Coefficient="C0G, NP0", Tolerance=±5%, Voltage - Rated=16V, Applications="General Purpose", Capacitance="10 pF", ComponentLink1Description=Datasheet, ComponentLink1URL=https://katalog.we-online.de/pbs/datasheet/885012006017.pdf, ComponentLink2Description="DigiKey Link", ComponentLink2URL=https://www.digikey.com/en/products/detail/würth-elektronik/885012006017/5453615, id=4142, LastUpdated=2023-01-03T20:07:00.397, Lifecycle Status=Active, Minimum Order=1, Mounting Type="Surface Mount, MLCC", Package / Case="0603 (1608 Metric)", Packaging=TapeAndReel, Part Number=885012006017, Part Status=Active, PartId=17575, Price=0.02, Series=WCAP-CSGP, Size / Dimension="0.063\" L x 0.031\" W (1.60mm x 0.80mm)", Supplier 1=DigiKey, Thickness (Max)="0.034\" (0.87mm)"
C1E C2E: library part EEE-HA1C470P, "CAP ALUM 47UF 20% 16V SMD", Device Package="Radial, Can - SMD", Lifetime @ Temp.="1000 Hrs @ 105°C", Manufacturer="Panasonic Electronic Components", Operating Temperature="-40°C ~ 105°C", Ratings=AEC-Q200, Ripple Current @ High Frequency="119mA @ 10kHz", Ripple Current @ Low Frequency="70mA @ 120Hz", Supplier Part Number 1=PCE4189CT-ND, Tolerance=±20%, Voltage - Rated=16V, Applications=Automotive, Capacitance=47µF, ComponentLink1Description=Datasheet, ComponentLink1URL=https://industrial.panasonic.com/cdbs/www-data/pdf/RDE0000/ABA0000C1151.pdf, ComponentLink2Description="DigiKey Link", ComponentLink2URL=http://digikey.com/product-detail/en/panasonic-electronic-components/EEE-HA1C470P/PCE4189CT-ND/814262, Height - Seated (Max)="0.213\" (5.40mm)", id=1065, LastUpdated=2020-09-02T01:18:32.593, Lifecycle Status=Active, Minimum Order=1, Mounting Type="Surface Mount", Package / Case="Radial, Can - SMD", Packaging=TapeAndReel, Part Number=EEE-HA1C470P, Part Status=Active, PartId=8737, Polarization=Polar, Price=0.08, Series=HA, Size / Dimension="0.248\" Dia (6.30mm)", Supplier 1=DigiKey, Surface Mount Land Size="0.260\" L x 0.260\" W (6.60mm x 6.60mm)"
C1G: library part C0402C472K4RECAUTO, "CAP CER 0402 4.7NF 16V X7R 10%", Device Package="0402 (1005 Metric)", Manufacturer=KEMET, Operating Temperature="-55°C ~ 125°C", Ratings=AEC-Q200, Supplier Part Number 1=399-17875-1-ND, Temperature Coefficient=X7R, Tolerance=±10%, Voltage - Rated=16V, Applications="Automotive, ESD Protection", Capacitance="4700 pF", ComponentLink1Description=Datasheet, ComponentLink1URL=https://api.kemet.com/component-edge/download/datasheet/C0402C472K4RECAUTO.pdf, ComponentLink2Description="DigiKey Link", ComponentLink2URL=https://www.digikey.com/en/products/detail/kemet/C0402C472K4RECAUTO/8640469, id=3032, LastUpdated=2023-01-03T20:03:46.940, Lifecycle Status=Active, Minimum Order=1, Mounting Type="Surface Mount, MLCC", Package / Case="0402 (1005 Metric)", Packaging=TapeAndReel, Part Number=C0402C472K4RECAUTO, Part Status=Active, PartId=12122, Price=0.01, Series="ESD SMD Auto X7R", Size / Dimension="0.039\" L x 0.020\" W (1.00mm x 0.50mm)", Supplier 1=DigiKey, Thickness (Max)="0.022\" (0.55mm)"
C2A C6A C7A C8A C9A C10A: library part CL05B104KP5VPNC, "CAP CER 100NF 10V X7R 0402", Device Package="0402 (1005 Metric)", Manufacturer="Samsung Electro-Mechanics", Operating Temperature="-55°C ~ 125°C", Ratings=AEC-Q200, Supplier Part Number 1=1276-CL05B104KP5VPNCCT-ND, Temperature Coefficient=X7R, Tolerance=±10%, Voltage - Rated=10V, Applications=Automotive, Capacitance="0.1 µF", ComponentLink1Description=Datasheet, ComponentLink1URL=https://mm.digikey.com/Volume0/opasdata/d220001/medias/docus/5458/CL05B104KP5VPNC_Spec.pdf, ComponentLink2Description="DigiKey Link", ComponentLink2URL=https://www.digikey.com/en/products/detail/samsung-electro-mechanics/CL05B104KP5VPNC/20498482, id=7736, LastUpdated=2023-11-05T20:02:55.743, Lifecycle Status=Active, Minimum Order=1, Mounting Type="Surface Mount, MLCC", Package / Case="0402 (1005 Metric)", Packaging=TapeAndReel, Part Number=CL05B104KP5VPNC, PartId=56690, Price=0.01, Series=CL, Size / Dimension="0.039\" L x 0.020\" W (1.00mm x 0.50mm)", Supplier 1=DigiKey, Thickness (Max)="0.022\" (0.55mm)"
C2B: library part TAJD107K016TNJV, "CAP TANT 100UF 10% 16V 2917", Device Package="2917 (7343 Metric)", Esr (Equivalent Series Resistance)="600mOhm @ 100kHz", Lifetime @ Temp.="2000 Hrs @ 125°C", Manufacturer="AVX Corporation", Manufacturer Size Code=D, Operating Temperature="-55°C ~ 125°C", Ratings=AEC-Q200, Supplier Part Number 1=478-13129-1-ND, Tolerance=±10%, Voltage - Rated=16V, Capacitance=100µF, ComponentLink1Description=Datasheet, ComponentLink1URL=http://datasheets.avx.com/TAJ_AUTO.pdf, ComponentLink2Description="DigiKey Link", ComponentLink2URL=http://digikey.com/product-detail/en/avx-corporation/TAJD107K016TNJV/478-13129-1-ND/9948644, Features=Automotive, Height - Seated (Max)="0.122\" (3.10mm)", id=3271, LastUpdated=2020-09-02T01:16:11.203, Lifecycle Status=Active, Minimum Order=1, Mounting Type="Surface Mount", Package / Case="2917 (7343 Metric)", Packaging=TapeAndReel, Part Number=TAJD107K016TNJV, Part Status=Active, PartId=3271, Price=0.29, Series=TAJ, Size / Dimension="0.287\" L x 0.169\" W (7.30mm x 4.30mm)", Supplier 1=DigiKey, Type=Molded
C2D: library part CC0603ZRY5V7BB105, "CAP CER 1UF 16V Y5V 0603", Device Package="0603 (1608 Metric)", Manufacturer=Yageo, Operating Temperature="-30°C ~ 85°C", Supplier Part Number 1=311-1372-1-ND, Temperature Coefficient="Y5V (F)", Tolerance="-20%, +80%", Voltage - Rated=16V, Applications="General Purpose", Capacitance="1 µF", ComponentLink1Description=Datasheet, ComponentLink1URL=http://www.yageo.com/documents/recent/UPY-GPHC_Y5V_6.3V-to-50V_8.pdf, ComponentLink2Description="DigiKey Link", ComponentLink2URL=https://www.digikey.com/en/products/detail/yageo/CC0603ZRY5V7BB105/2103110, id=744, LastUpdated=2023-01-03T20:07:40.173, Lifecycle Status=Active, Minimum Order=1, Mounting Type="Surface Mount, MLCC", Package / Case="0603 (1608 Metric)", Packaging=TapeAndReel, Part Number=CC0603ZRY5V7BB105, Part Status=Active, PartId=5227, Price=0.01, Series=CC, Size / Dimension="0.063\" L x 0.031\" W (1.60mm x 0.80mm)", Supplier 1=DigiKey, Thickness (Max)="0.035\" (0.90mm)"
C3B: library part C0402C103J5RECAUTO, "CAP CER 0402 10NF 50V X7R 5%", Capacitance="10000 pF", Device Package="0402 (1005 Metric)", Manufacturer=KEMET, Operating Temperature="-55°C ~ 125°C", Ratings=AEC-Q200, Supplier Part Number 1=399-C0402C103J5RECAUTOCT-ND, Temperature Coefficient=X7R, Tolerance=±5%, Voltage - Rated=50V, Applications="Automotive, ESD Protection", ComponentLink1Description=Datasheet, ComponentLink1URL=https://api.kemet.com/component-edge/download/datasheet/C0402C103J5RECAUTO.pdf, ComponentLink2Description="DigiKey Link", ComponentLink2URL=https://www.digikey.com/en/products/detail/kemet/C0402C103J5RECAUTO/8646448, id=3927, LastUpdated=2023-01-03T20:03:32.240, Lifecycle Status=Active, Minimum Order=1, Mounting Type="Surface Mount, MLCC", Package / Case="0402 (1005 Metric)", Packaging=TapeAndReel, Part Number=C0402C103J5RECAUTO, Part Status=Active, PartId=33153, Price=0.02, Series="ESD SMD Auto X7R", Size / Dimension="0.039\" L x 0.020\" W (1.00mm x 0.50mm)", Supplier 1=DigiKey, Thickness (Max)="0.022\" (0.55mm)"
C3D: library part CC0603ZRY5V7BB225, "CAP CER 2.2UF 16V Y5V 0603", Device Package="0603 (1608 Metric)", Manufacturer=Yageo, Operating Temperature="-30°C ~ 85°C", Supplier Part Number 1=311-3416-1-ND, Temperature Coefficient="Y5V (F)", Tolerance="-20%, +80%", Voltage - Rated=16V, Applications="General Purpose", Capacitance="2.2 µF", ComponentLink1Description=Datasheet, ComponentLink1URL=http://www.yageo.com/documents/recent/UPY-GPHC_Y5V_6.3V-to-50V_8.pdf, ComponentLink2Description="DigiKey Link", ComponentLink2URL=https://www.digikey.com/en/products/detail/yageo/CC0603ZRY5V7BB225/5883851, id=21, LastUpdated=2023-01-03T20:07:48.310, Lifecycle Status=Active, Minimum Order=1, Mounting Type="Surface Mount, MLCC", Package / Case="0603 (1608 Metric)", Packaging=TapeAndReel, Part Number=CC0603ZRY5V7BB225, Part Status=Active, PartId=2203, Price=0.01, Series=CC, Size / Dimension="0.063\" L x 0.031\" W (1.60mm x 0.80mm)", Supplier 1=DigiKey, Thickness (Max)="0.035\" (0.90mm)"
C3E: library part T491D226K010AT, "CAP TANT 22UF 10% 10V 2917", Device Package="2917 (7343 Metric)", Esr (Equivalent Series Resistance)=1.6Ohm, Lifetime @ Temp.="2000 Hrs @ 125°C", Manufacturer=KEMET, Manufacturer Size Code=D, Operating Temperature="-55°C ~ 125°C", Supplier Part Number 1=399-5599-1-ND, Tolerance=±10%, Voltage - Rated="10 V", Capacitance="22 µF", ComponentLink1Description=Datasheet, ComponentLink1URL=https://api.kemet.com/component-edge/download/datasheet/T491D226K010AT.pdf, ComponentLink2Description="DigiKey Link", ComponentLink2URL=https://www.digikey.com/en/products/detail/kemet/T491D226K010AT/2039625, Features="General Purpose", Height - Seated (Max)="0.122\" (3.10mm)", id=3007, LastUpdated=2023-01-02T20:46:27.020, Lifecycle Status=Active, Minimum Order=1, Mounting Type="Surface Mount", Package / Case="2917 (7343 Metric)", Packaging=TapeAndReel, Part Number=T491D226K010AT, Part Status=Active, PartId=3007, Price=0.31, Series=T491, Size / Dimension="0.287\" L x 0.169\" W (7.30mm x 4.30mm)", Supplier 1=DigiKey, Type=Molded
C4A C5A: library part GMC04X5R475K10NT, "CAP0402 X5R 4.7UF 10% 10V", Device Package="0402 (1005 Metric)", Manufacturer="Cal-Chip Electronics, Inc.", Operating Temperature="-55°C ~ 85°C", Supplier Part Number 1=4713-GMC04X5R475K10NTCT-ND, Temperature Coefficient=X5R, Tolerance=±10%, Voltage - Rated=10V, Applications="General Purpose", Capacitance="4.7 µF", ComponentLink1Description=Datasheet, ComponentLink1URL=https://88ce57.p3cdn1.secureserver.net/wp-content/uploads/2023/01/gmc_series-2.pdf, ComponentLink2Description="DigiKey Link", ComponentLink2URL=https://www.digikey.com/en/products/detail/cal-chip-electronics-inc/GMC04X5R475K10NT/18151135, id=6422, LastUpdated=2023-04-21T19:03:30.743, Lifecycle Status=Active, Minimum Order=1, Mounting Type="Surface Mount, MLCC", Package / Case="0402 (1005 Metric)", Packaging=TapeAndReel, Part Number=GMC04X5R475K10NT, Part Status=Active, PartId=49814, Price=0.01, Series=GMC, Size / Dimension="0.039\" L x 0.020\" W (1.00mm x 0.50mm)", Supplier 1=DigiKey, Thickness (Max)="0.028\" (0.70mm)"
C4B: library part CMP-13271-004220-1, "Cap Ceramic 33nF 16V X7R ±10% SMD 0402 +125°C Paper T/R", Capacitance=33nF, Case Code (Imperial)=0402, Case Code (Metric)=1005, Dielectric=X7R, Max Operating Temperature=125°C, Min Operating Temperature=-55°C, Tolerance=10%, Voltage=16V, Case/Package=0402, Depth=0.5mm, Height=0.5mm, Lead Free="Lead Free", Length=1mm, Mount="Surface Mount", Packaging="Tape and Reel", Radiation Hardening=No, Thickness=0.022inch, Voltage Rating=16V, Voltage Rating (DC)=16V, Width=0.02inch
C4D C5D: library part LD03YC104JAB2A, "CAP CER 0.1UF 16V X7R 0603", Device Package="0603 (1608 Metric)", Manufacturer="AVX Corporation", Operating Temperature="-55°C ~ 125°C", Supplier Part Number 1=478-4928-1-ND, Temperature Coefficient=X7R, Tolerance=±5%, Voltage - Rated=16V, Applications="General Purpose", Capacitance=0.1µF, ComponentLink1Description=Datasheet, ComponentLink1URL=http://datasheets.avx.com/LD-Series.pdf, ComponentLink2Description="DigiKey Link", ComponentLink2URL=http://digikey.com/product-detail/en/avx-corporation/LD03YC104JAB2A/478-4928-1-ND/1858874, id=1923, LastUpdated=2020-09-02T01:03:21.410, Lifecycle Status=Active, Minimum Order=1, Mounting Type="Surface Mount, MLCC", Package / Case="0603 (1608 Metric)", Packaging=TapeAndReel, Part Number=LD03YC104JAB2A, Part Status=Active, PartId=10388, Price=0.19, Series=LD, Size / Dimension="0.063\" L x 0.032\" W (1.60mm x 0.81mm)", Supplier 1=DigiKey, Thickness (Max)="0.035\" (0.90mm)"
C4E C5E: library part 860020375017, "CAP ALUM 1000UF 20% 16V RADIAL", Device Package="Radial, Can", Lifetime @ Temp.="2000 Hrs @ 105°C", Manufacturer="Würth Elektronik", Operating Temperature="-40°C ~ 105°C", Ripple Current @ High Frequency="745.2mA @ 100kHz", Ripple Current @ Low Frequency="540mA @ 120Hz", Supplier Part Number 1=732-8804-1-ND, Tolerance=±20%, Voltage - Rated=16V, Applications="General Purpose", Capacitance=1000µF, ComponentLink1Description=Datasheet, ComponentLink1URL=https://katalog.we-online.de/pbs/datasheet/860020375017.pdf, ComponentLink2Description="DigiKey Link", ComponentLink2URL=http://digikey.com/product-detail/en/w-rth-elektronik/860020375017/732-8804-1-ND/5728749, Height - Seated (Max)="0.551\" (14.00mm)", id=1938, LastUpdated=2020-09-02T01:31:11.520, Lead Spacing="0.197\" (5.00mm)", Lifecycle Status=Active, Minimum Order=1, Mounting Type="Through Hole", Package / Case="Radial, Can", Packaging=TapeAndBox, Part Number=860020375017, Part Status=Active, PartId=11161, Polarization=Polar, Price=0.24, Series=WCAP-ATG5, Size / Dimension="0.394\" Dia (10.00mm)", Supplier 1=DigiKey
C5B: library part GJM1555C1H1R5WB01D, "CAP CER 1.5PF 50V C0G/NP0 0402", Device Package="0402 (1005 Metric)", Manufacturer="Murata Electronics", Operating Temperature="-55°C ~ 125°C", Supplier Part Number 1=490-11199-1-ND, Temperature Coefficient="C0G, NP0", Tolerance=±0.05pF, Voltage - Rated=50V, Applications="RF, Microwave, High Frequency", Capacitance="1.5 pF", ComponentLink1Description=Datasheet, ComponentLink1URL=https://search.murata.co.jp/Ceramy/image/img/A01X/G101/ENG/GJM1555C1H1R5WB01-01.pdf, ComponentLink2Description="DigiKey Link", ComponentLink2URL=https://www.digikey.com/en/products/detail/murata-electronics/GJM1555C1H1R5WB01D/2592890, Features="High Q, Low Loss", id=1437, LastUpdated=2023-01-03T20:04:06.813, Lifecycle Status=Active, Minimum Order=1, Mounting Type="Surface Mount, MLCC", Package / Case="0402 (1005 Metric)", Packaging=TapeAndReel, Part Number=GJM1555C1H1R5WB01D, Part Status=Active, PartId=5918, Price=0.02, Series=GJM, Size / Dimension="0.039\" L x 0.020\" W (1.00mm x 0.50mm)", Supplier 1=DigiKey, Thickness (Max)="0.022\" (0.55mm)"